# KiCad board PSEC5_Board.kicad_pcb (continued)
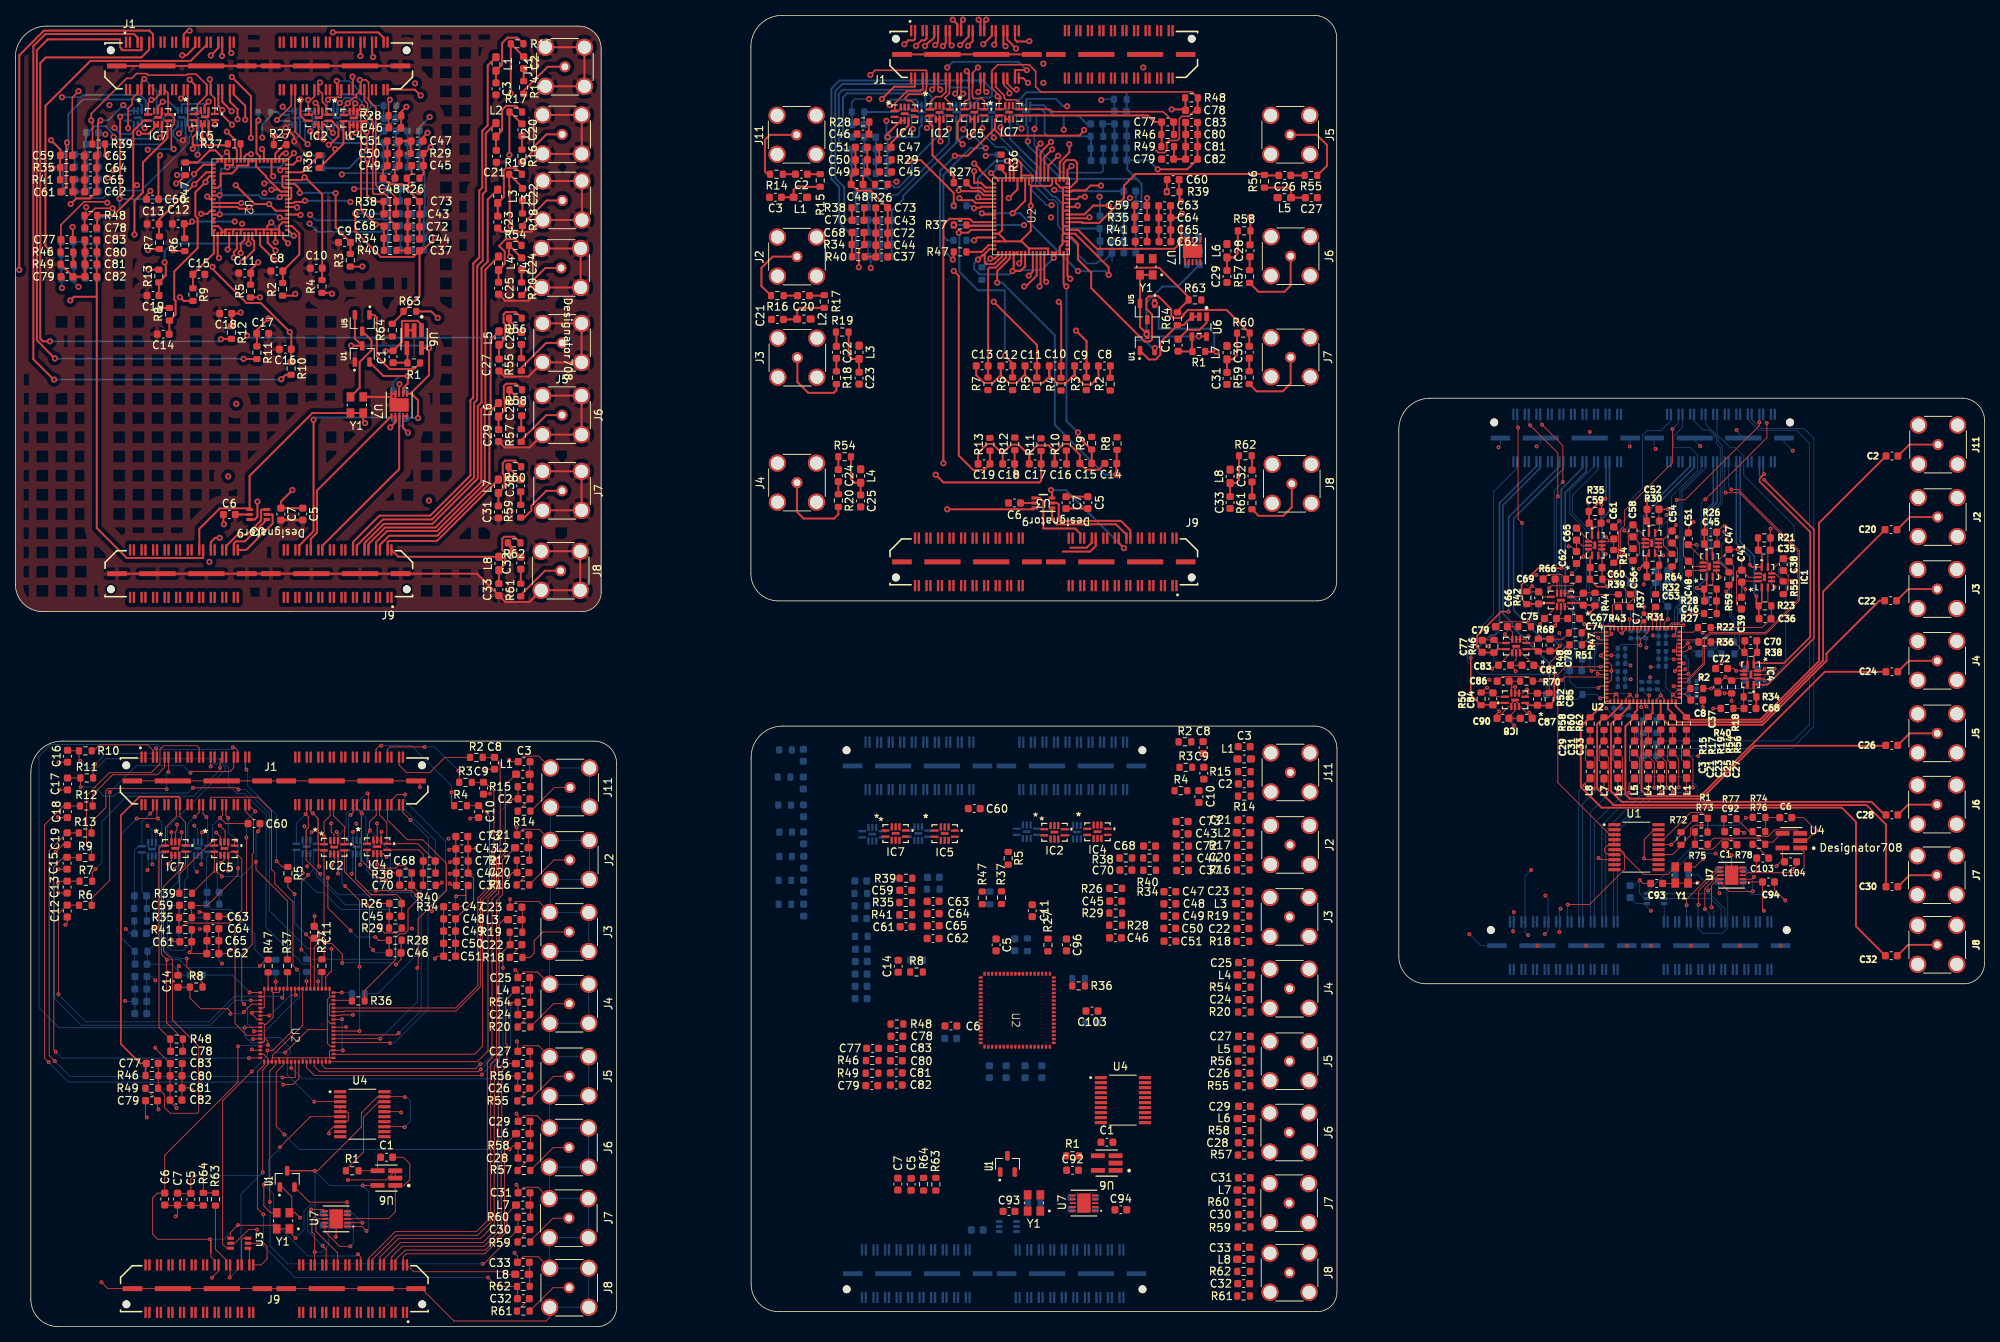
[diagram p0: board, top side]
## Routing (per net, layer and track width the routed paths; a pad name or vN(x,y) marks a point on that pad's centre or on a via; arc(x,y) is an arc through that point) (continued)
Net-(IC6--IN): length 75.7
  Top w0.1: IC6.6 198.79,94.97 C66.2 196.64,95.62 R42.1 v1(197.29,96.37)
  In2.Cu w0.25: v2(4.81,150.77) 5.26,151.22 22.41,151.22 v2(23.7,152.51)
  Bottom w0.1: R45#2.1 197.44,96.37 v1(197.29,96.37) ; IC6#3.6 22.42,58.49 22.03,58.1 22.03,53.97 R45#5.1 21.27,50.21 C66#4.2 ; 21.89,61.8 22.47,61.8
  Bottom w0.25: C66#5.2 6.16,150.89 R45#4.1 4.99,150.94 v2(4.81,150.77) ; IC6#5.6 23.31,157.8 23.82,157.28 23.82,155.12 23.59,154.89 23.59,153.8 23.79,153.59 23.79,152.99 23.7,152.89 v2(23.7,152.51) ; IC6#2.6 128.96,158.44 129.35,158.05 129.35,154.59 133.21,150.73 133.21,148.81 134.95,147.07 135.24,147.07 136.16,146.15 136.16,143.47 136.72,142.91 R45.1 141.08,142.86 C66#2.2
Net-(IC7-+IN): length 129.2
  Top w0.1: C78.1 21.8,35.88 R48#2.2 19.65,39.57 19.65,47.8 ; 19.65,47.8 18.98,48.46 18.98,61.31 IC7#5.2 ; 19.65,47.8 v1(19.7,47.75) ; 198.12,89.65 197.45,88.97 IC7#2.2 ; R48#3.2 198.15,89.47 C78#4.1 201.26,89.47 202.09,90.3 ; 199.66,89.65 199.71,89.6 ; R47#4.1 32.6,47.75 v1(31.8,46.95)
  Top w0.25: v2(122.2,152.38) 123.88,152.38 127.36,155.87 127.41,155.87 ; v2(139.01,155.73) 139.01,155.62 138.39,155 128.17,155 127.41,155.77 127.41,155.87 ; R48#4.2 152.2,159.88 C78#5.1 152.08,158.4 v2(150.4,158.4) ; IC7#4.2 127.41,157.09 127.41,155.87 ; C78#2.1 10.64,143.05 R48#5.2 12.74,144.61 15.34,147.21 15.34,148.42 ; R47#2.1 21.04,148.77 v2(20.91,148.77) ; 15.34,148.42 15.34,155.61 16.67,156.95 IC7#3.2 ; 15.34,148.42 15.69,148.42 v2(15.81,148.55) ; v2(121.94,138.87) 122.06,138.99 R47#3.1
  In1.Cu w0.25: v2(139.01,155.73) 147.72,155.73 v2(150.4,158.4)
  In2.Cu w0.25: v2(20.91,148.77) 16.04,148.77 v2(15.81,148.55) ; 218.52,155.17 221.22,155.17
  Bottom w0.1: v1(19.7,47.75) 21.35,47.75 22.35,46.75 31.6,46.75 v1(31.8,46.95)
  Bottom w0.25: v2(121.94,138.87) 120.26,140.54 120.26,150.42 122.21,152.37 v2(122.2,152.38)
Net-(IC7--IN): length 103.9
  Top w0.1: C77#2.2 18.58,31.04 R49#3.1 19.38,30.21 19.38,28.54 20.15,27.77 23.67,27.77 23.85,27.95 23.85,36.49 20.42,39.92 20.42,47.73 19.28,48.87 19.28,57.28 22.12,60.11 IC7#5.6 ; v1(191.6,88.52) C77.2 190.85,89.37 R46.1 192.72,88.97 IC7#2.6
  Top w0.25: IC7#4.6 147.32,157.62 148.17,156.77 C77#4.2 149.1,153.6 R49#4.1 ; C77#3.2 7.47,143.06 v2(7.44,143.1) ; R49#2.1 7.54,139.82 R46#4.1 ; v2(15.49,142.12) 15.49,146.5 16.59,147.6 16.59,151.51 17.94,152.86 17.95,152.86 19.78,154.69 19.78,156.86 IC7#3.6
  In2.Cu w0.25: v2(15.49,142.12) 14.51,143.1 v2(7.44,143.1)
  Bottom w0.1: v1(191.6,88.52) 191.6,88.65 R46.1
Net-(IC8-+IN): length 77.2
  Top w0.1: R51.1 201.91,88.72 199.5,86.31 R52.2 198.03,82.47 C85.1 196.84,82.42 IC8.2
  Top w0.25: v2(13.63,157.46) 13.63,146.86 v2(13.56,146.8) 13.61,146.85
  Bottom w0.1: 18.15,49.82 18.57,50.25 18.57,60.53 18.68,60.64 18.68,61.3 IC8#2.2 ; R51#4.1 21.74,45.75 20.32,47.17 C85#3.1 17.17,47.22 R52#4.2 18.22,49.9
  Bottom w0.25: v2(13.63,157.46) 13.76,157.46 14.05,157.75 IC8#3.2 ; IC8#4.2 130.18,159.28 131.54,160.64 144.39,160.64 144.55,160.47 R52#5.2 144.55,158.2 C85#2.1 ; C85#5.1 10.61,144.33 R52#2.2 12.51,144.38 13.56,145.43 v2(13.56,146.8) 13.61,146.75 R51#5.1
Net-(IC8--IN): length 70.5
  Top w0.1: IC8.6 192.68,81.97 C84.2 190.7,82.47 R50.1 191.28,83.15 v1(191.45,83.15)
  In1.Cu w0.25: v2(6.06,135.17) 5.98,135.25 5.98,159.92 v2(6.06,160)
  Bottom w0.1: R53#2.1 17.05,52.86 C84#4.2 16.46,56.64 IC8#2.6 ; v1(191.45,83.15) 192.08,82.52 R53#5.1
  Bottom w0.25: R53.1 5.97,139.54 R50#4.1 5.97,136.45 C84#2.2 6.02,135.21 v2(6.06,135.17) ; C84#5.2 139.92,154.84 R53#3.1 134.27,154.91 133.87,155.31 133.87,158.05 133.43,158.49 IC8#4.6 ; IC8#3.6 16.96,158.02 16.96,159.55 16.21,160.3 8.76,160.3 8.46,160 v2(6.06,160)
Net-(J2-In): length 29.2
  Top w0.1: J2#4.1 70.06,60.73 66.85,57.52 R16#3.2
  Top w0.232: C20#4.2 246.39,105.36 J2#2.1
  Top w0.25: J2.1 98.52,139.25 97.04,137.78 97.04,135.42 R16#4.2 98.5,134.17 ; R16#2.2 67.14,152.77 67.14,153.22 69.07,155.16 J2#5.1
Net-(J3-In): length 30.8
  Top w0.1: J3#3.1 68.61,51.36 67.47,50.22 67.47,48.59 66.92,48.04 R18#3.2
  Top w0.232: C22.2 246.21,95.99 J3.1
  Top w0.25: J3#2.1 101.72,122.95 103.14,121.52 106.44,121.52 106.8,121.88 R18.2 ; J3#4.1 69.1,146.56 65.96,143.42 R18#4.2
Net-(J4-In): length 29.7
  Top w0.1: 72.04,42.02 J4#4.1 70,42.02 66.99,39.01 R20.2
  Top w0.232: C24#3.2 246.28,86.65 J4#2.1
  Top w0.25: R20#2.2 107.05,105.72 106.49,105.17 102.53,105.17 101.67,106.03 J4#3.1 ; R20#4.2 67,135.39 67,135.83 68.94,137.77 J4.1
Net-(J5-In): length 29.2
  Top w0.1: J5#5.1 69.99,32.58 66.94,29.53 R55#2.2
  Top w0.232: C26.2 246.4,77.21 J5#2.1
  Top w0.25: R55.2 170.6,151.08 170.6,153.78 169.28,155.1 J5#3.1 ; J5.1 69.04,128.02 65.81,124.79 R55#4.2
Net-(J6-In): length 28.8
  Top w0.1: 72.01,23.3 J6#3.1 69.96,23.31 66.98,20.33 R57#3.2
  Top w0.232: C28#5.2 246.2,67.93 J6#4.1
  Top w0.25: J6.1 165.88,135.49 165.06,134.68 161.7,134.68 R57#4.2 ; J6#5.1 69.06,118.62 65.8,115.36 R57.2
Net-(J7-In): length 28.9
  Top w0.1: R59#4.2 66.97,11.15 69.94,14.12 J7.1 71.95,14.08
  Top w0.232: J7#4.1 246.35,58.74 C30#5.2
  Top w0.25: J7#5.1 165.88,122.74 164.86,121.73 161.44,121.73 R59#5.2 ; J7#3.1 69.06,108.77 67.12,106.83 67.12,106.21 66.2,105.29 R59#2.2
Net-(J8-In): length 27.9
  Top w0.1: 72.06,5.05 J8#2.1 69.93,5.06 R61#4.2
  Top w0.232: J8#4.1 246.21,49.69 C32#5.2
  Top w0.25: J8#5.1 68.88,98.37 65.74,95.23 R61.2 ; R61#2.2 161.7,105.52 164.91,105.52 166.03,106.64 J8#3.1
Net-(J11-In): length 28.7
  Top w0.1: R14#4.2 67.02,67.08 70.1,70.16 J11.1
  Top w0.232: J11#3.1 246.36,114.79 244.88,113.31
  Top w0.25: J11#2.1 98.16,155.1 97.5,154.44 97.5,150.33 97.86,149.97 R14#5.2 ; R14#2.2 66.11,160.83 69.24,163.96 J11#5.1
Net-(U1-VOUT): length 28.6
  Top w0.1: U1#5.2 38.27,16.2 v1(43.15,16.2) ; U7#3.2 v1(45.15,13.52)
  Top w0.25: U7#4.2 50.47,121.34 50.47,121.32 50.47,122.16 51.04,122.73 v2(51.04,123.72) 47.87,123.72 U1#4.2 ; v2(148.21,127.37) 148.18,127.34 U1#3.2
  Bottom w0.1: v1(45.15,13.52) 43.91,14.76 C34#4.1 43.23,16.11 v1(43.15,16.2)
  Bottom w0.25: 145.71,128.37 146.88,128.37 147.88,127.37 v2(148.21,127.37) ; v2(51.04,123.72) 49.98,123.72 49.17,122.92 C34#5.1
Net-(U5-U): length 27.7
  Top w0.25: R1#4.2 51.84,124.61 48.7,124.61 47.01,126.3 47.01,131.32 46.66,131.67 U5.1 ; R1#5.2 154.8,126.87 v2(156.21,126.87)
  Bottom w0.25: v2(148.18,133.17) 148.71,132.64 148.71,129.87 155.24,129.87 155.94,129.17 155.94,127.14 v2(156.21,126.87)
Net-(U6-IN-): length 12.1
  Top w0.1: R1.1 U6#3.4 47.11,21.65 C1#2.2
  Top w0.25: U6.4 50.99,127.29 R1#4.1 50.95,125.45 C1#4.2 ; 151.25,126.95 151.28,126.91 R1#5.1 153.04,126.98 U6#4.4
Net-(U7-SDI): length 18.6
  Top w0.1: U7#3.9 U7#3.10 40.27,12.37 42.19,10.45 v1(43.57,10.45)
  Top w0.25: v2(51.06,116.35) 50.42,116.99 U7#4.9 U7#4.10
  Bottom w0.1: C4#4.2 42.46,13.91 43.69,13.91 43.96,13.64 43.96,10.83 v1(43.57,10.45)
  Bottom w0.25: C4.2 50.04,119.15 50.04,117.37 v2(51.06,116.35)

## Copper pours and planes (outline as drawn; the poured copper is in the pictures)
GND on Top: 0.06,169.17 76.36,169.27 76.31,93.1 -0.06,93.02
GND on In1.Cu: 0.2,77.52 79.52,77.5 80.9,-0.7 0.17,-0.1
VDD33 on In2.Cu: 0.2,77.52 79.52,77.5 80.9,-0.7 0.17,-0.1
